# Altium PCB AD9959.PcbDoc (part 2 of 2)
Units mil, origin at the board's own origin, x right, y up, seen from the top; angles counter-clockwise.
Board outline 2765 x 1935 mil, 4 copper layers (Top Layer, Layer 1, Layer 2, Bottom Layer), stack 63.126 mil thick; 270 components, 121 nets, 743 pads, 606 vias.
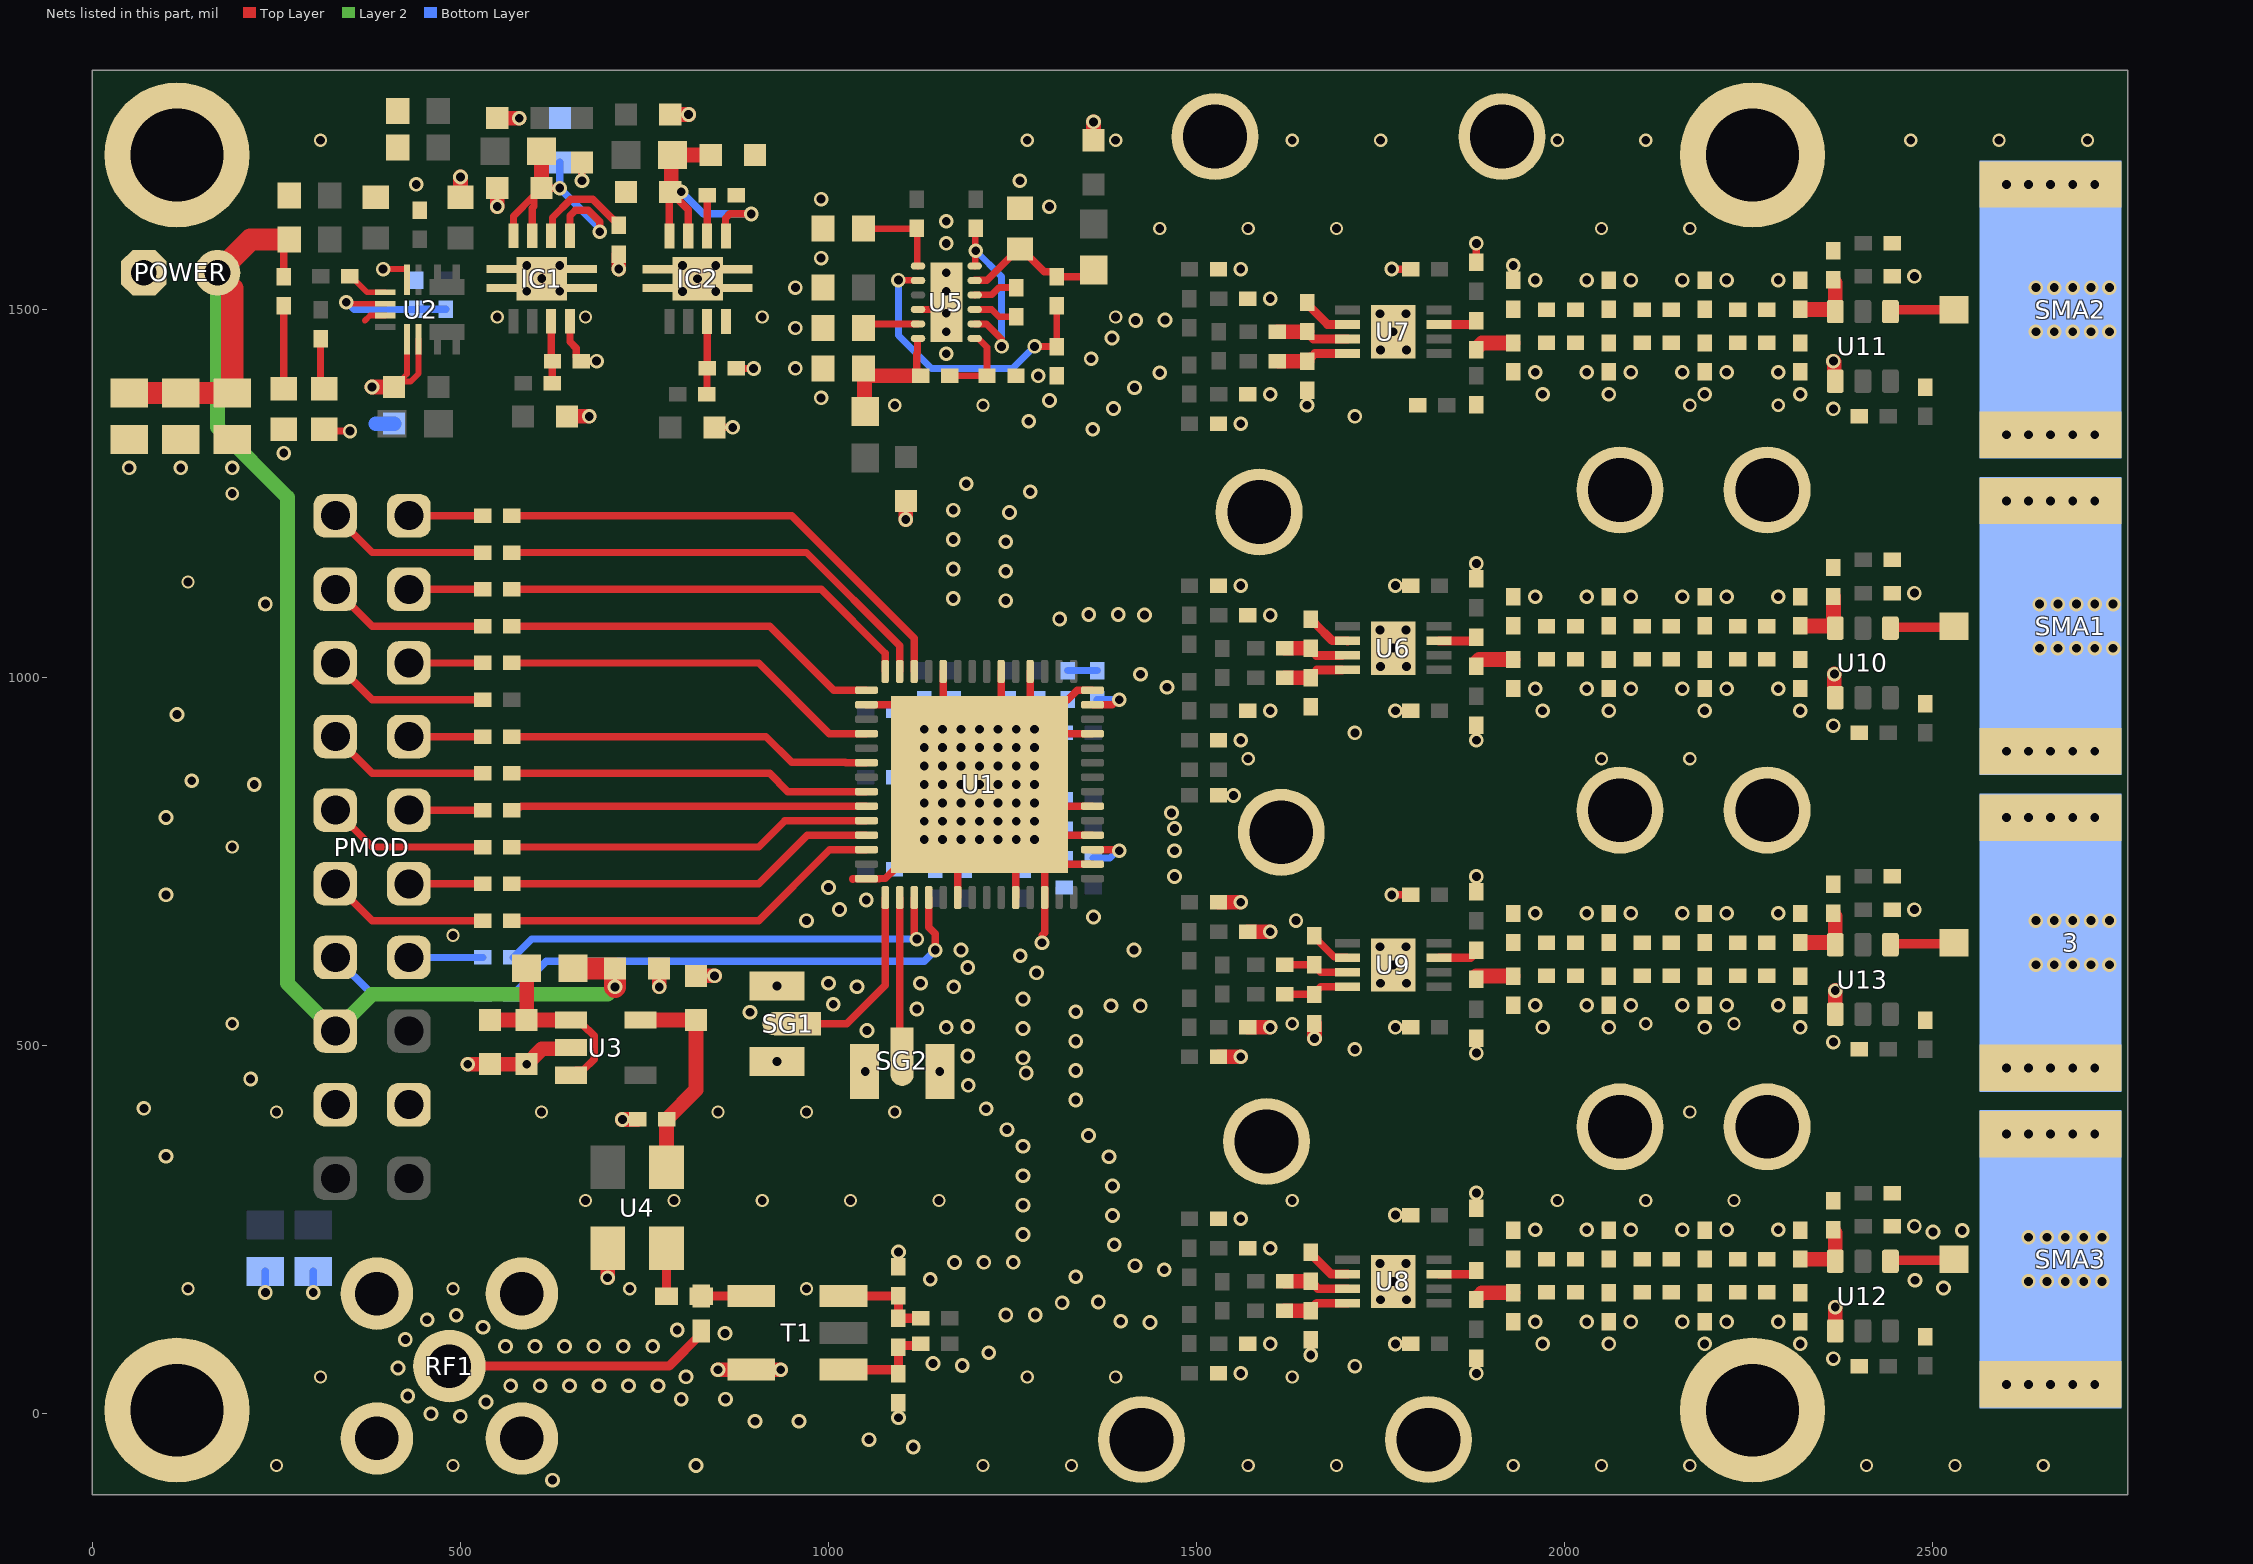
[diagram p4: the nets of this part, all layers, seen from the top]

## Via types
v1: diameter 20, hole 12, Top Layer to Bottom Layer, tented both sides, 280 vias
v2: diameter 19.68, hole 12, Top Layer to Bottom Layer, tented both sides, 257 vias
v3: diameter 18, hole 12, Top Layer to Bottom Layer, tented both sides, 69 vias

## Nets (pads, with @x,y where several pads share a name; then routed paths per layer and width w, separated by ;. In a path a pad name is that pad's centre, name@x,y a point inside that pad or via, vN(x,y) a via of type N, cw(c..) or ccw(c..) an arc to the next point about the centre after c; other vN are vias at no path point) (continued)
GND: 3.2 3.3 3.4 C1.1 C2.1 C3.2 C4.2 C5.2 C6.1 C7.2 C8.1 C9.1 C11.2 C12.2 C13.1 C14.2 C15.2 C16.2 C17.2 C18.2 C19.2 C20.2 C21.2 C22.2 C23.2 C24.2 C25.2 C26.2 C27.2 C28.1 C30.1 C32.1 C34.2 C35.2 C36.2 C37.2 C38.1 C40.1 C42.1 C44.1 C46.2 C47.2 C48.2 C49.2 C50.1 C52.1 C54.1 C56.1 C58.2 C59.2 C60.2 C61.2 C62.1 C64.1 C66.1 C68.1 C70.2 C71.2 C72.2 C73.2 C74.1 C76.2 C77.2 C78.2 C79.2 C80.2 C81.2 C82.2 C83.2 C84.2 C85.2 C86.2 C87.2 C88.2 C89.2 C90.2 C91.2 C92.2 C93.2 C94.2 C95.2 C96.2 C97.2 C98.2 C99.2 C100.2 C101.2 C102.2 C103.2 C104.2 C105.2 C106.2 C107.2 C108.2 C109.2 C110.2 C111.2 C112.2 C113.2 C114.2 C115.2 C116.2 C117.2 C118.2 C119.2 C120.2 C121.2 C122.2 C123.2 C124.2 C125.2 C126.2 C127.2 C128.2 C129.1 C130.2 C135.1 C136.1 C137.1 C138.1 C139.1 C140.1 C141.1 C142.1 C143.1 C144.1 C145.1 C146.1 C147.1 C148.1 C149.1 C150.1 C151.1 D2.2 D3.2 IC1.4 IC1.9 IC1.10 IC1.11 IC1.12 IC1.13 IC2.4 IC2.9 IC2.10 IC2.11 IC2.12 IC2.13 pad.0 pad. PMOD.17 PMOD.18 POWER.1 R2.2 R5.1 R6.2 R7.2 R9.2 R14.1 R15.1 R57.2 R58.2 R59.2 R60.2 R63.1 R64.1 R65.1 R66.1 R69.1 R72.1 RF1.1 SG1.2 SG1.3 SG2.2 SG2.3 SMA1.2 SMA1.3 SMA1.4 SMA2.2 SMA2.3 SMA2.4 SMA3.2 SMA3.3 SMA3.4 T1.2 U1.6 U1.10 U1.12 U1.16 U1.18 U1.20 U1.25 U1.28 U1.32 U1.34 U1.38 U1.44 U1.56 U1.57 U2.1 U2.2 U2.11 U3.2 U4.2 U5.4 U5.13 U6.9 U7.9 U8.9 U9.9 U10.4 U11.4 U12.4 U13.4 | length 2842.3
  Top Layer w8: 370,1485 377.06,1492.06 U2.11@397.91,1492.13 U2.11@397.91,1492.13 ; C146.1@410,1395 C146.1@417.31,1402.31 ; U2.1@427.44,1459.65 427.44,1412.44 C146.1@417.31,1402.31 ; U2.2@443.19,1459.65 443.19,1413.19 432.31,1402.31 C146.1@417.31,1402.31
  Top Layer w9: U5.4@1121.56,1500.16 1150.16,1500.16 U5.13@1160,1510
  Top Layer w10: IC1.4@648.78,1484.13 648.78,1456.22 657.56,1447.44 657.56,1434.84 662.4,1430 R6.2@664.37,1430 v1(685,1430) ; v1(665,1675) C142.1@665,1700 ; C8.1@845,1340 v1(870,1340) ; R7.2@874.69,1420 v1(898.32,1420) ; 1032.78,725.81 1032.78,727.05 U1.56@1051.46,727.05 1069.27,727.05 1069.43,727.2 1077.2,727.2 U1.57@1090,740 ; U1.44@1051.46,963.27 U1.57@1096.73,963.27 ; v1(1095,-5.31) R72.1@1095,15.32 ; R69.1@1095,199.68 v1(1095,220) ; U1.57@1155.79,904.21 U1.38@1155.79,1008.54 ; U1.6@1175.47,701.46 U1.57@1175.47,825.47 ; U1.57@1234.53,884.53 U1.34@1234.53,1008.54 ; U1.10@1254.21,701.46 U1.57@1254.21,805.79 ; U1.57@1273.9,786.1 U1.18@1358.54,786.1 ; U1.32@1273.9,1008.54 1273.9,923.9 U1.25@1358.54,923.9 ; U1.57@1280,825.47 U1.20@1358.54,825.47 ; 1290,650 1293.58,653.58 U1.12@1293.58,701.46 U1.57@1293.58,766.42 ; U1.57@1313.27,746.73 U1.16@1358.54,746.73 ; U1.57@1320,970 1325,970 1337.87,982.87 1358.46,982.87 U1.28@1358.54,982.95 ; R2.2@1529.69,840 v1(1550,840) ; v1(1650,1370) R59.2@1650,1390.31 ; v1(1655,80) R58.2@1655,100.63 ; v1(1765,705) C81.2@1790.63,705 ; v1(1765,1555) C76.2@1790.63,1555 ; v1(1770,95) C125.2@1790.63,95 ; v1(1770,270) C82.2@1790.63,270 ; v1(1770,525) C126.2@1790.63,525 ; v1(1770,955) C86.2@1790.63,955 ; v1(1770,1125) C78.2@1790.63,1125 ; v1(1880,55) C90.2@1880,75.31 ; C115.2@1880,279.37 v1(1880,300) ; v1(1880,490) C89.2@1880,510.31 ; C119.2@1880,709.37 v1(1880,730) ; v1(1880,915) C122.2@1880,935.63 ; C114.2@1880,1134.37 v1(1880,1155) ; C118.2@1880,1564.37 v1(1880,1590) ; C40.1@1930,1539.68 v1(1930,1560)
  Top Layer w20: v1(380,1395) C146.1@410,1395 ; C1.1@500,1652.56 v1(500,1680) ; v1(510,475) C151.1@540,475 v1(590,475) 610.79,495.79 648.19,495.79 U3.2@650,497.6 ; v1(550,1640) C141.1@550,1665 ; C140.1@550,1760 v1(580,1760) ; C139.1@645,1355 v1(675,1355) ; v1(700,185) U4.2@700,225 ; v1(715,1555) C137.1@715,1575.32 ; v1(720,400) C130.2@740.63,400 ; v1(770,580) C150.1@770,605 ; C143.1@785,1765 v1(810,1765) ; C149.1@820,595 v1(845,595) ; v1(850,60) T1.2@895,60 v1(935,60) ; SG2.2@1048.82,465 v1(1050,465) ; v1(1105,1215) C148.1@1105,1240 ; C147.1@1360,1730 v1(1360,1755) ; C105.2@1529.69,485 v2(1560,485) ; C106.2@1529.69,695 v2(1560,695) ; C101.2@1569.69,525 v2(1600,525) ; C102.2@1569.69,655 v2(1600,655) ; v1(1660,510) R60.2@1660,530.31 ; v2(2365,1430) 2366.18,1428.82 2366.18,1404.17 U11.4@2367.6,1402.76 ; v2(2366.3,1005) 2366.3,974.06 U10.4@2367.6,972.76 ; U12.4@2367.6,112.76 v2(2367.6,145) ; U13.4@2367.6,542.76 v2(2367.6,575)
  Bottom Layer w10: v1(235,165) C112.2@235,193.5 ; v1(300,165) C111.2@300,193.5
  Bottom Layer w20: 385,1345 C145.1@410,1345
  other v1: 625,-90 820,-70 1115,-45 1055,-35 900,-10 960,-10 499.94,-3.24 460.07,-0.01 534.87,16.25 800,20 860,20 428.4,24.42 568.24,38.31 608.24,38.31 648.24,38.31 688.24,38.31 728.24,38.31 768.24,38.31 2600,40 2630,40 2660,40 2690,40 2720,40 806.42,50.24 415.17,62.17 1181.7,65.75 1141.8,68.5 1217.75,83.09 561.25,91.69 601.25,91.69 641.25,91.69 681.25,91.69 721.25,91.69 761.25,91.69 425.18,100.9 859.45,109.38 794.54,113.87 530.78,117.61 1436.82,124.2 1396.86,125.89 454.76,127.81 494.28,133.98 1240.91,134.2 1280.91,134.2 1317.3,150.81 1366.53,151.97 1750,155 1785,155 2514.47,170.91 1767.09,179.84 2475.92,181.6 1138.11,182.89 1335.8,186.27 1455.93,195.8 1416.32,201.38 1749.29,204.45 1784.29,204.45 1171,205.66 1211,205.8 1251,205.8 1388.04,229.66 1264.2,243.56 2500.16,246.97 2540.1,249.09 1385.8,269.6 1264.2,283.56 1385.8,309.6 1264.2,323.56 1380.88,349.3 100,350 1264.2,363.56 1353.26,378.23 2600,380 2630,380 2660,380 2690,380 2720,380 1242.38,386.12 1214.1,414.41 70,415 1335.8,426.27 1189.83,446.2 215,455 1268.41,463.08 1151.18,465 1335.8,466.27 2600,470 2630,470 2660,470 2690,470 2720,470 930,478.82 1264.2,483.56 1189.04,486.19 1335.8,506.27 1052.26,520.77 1264.2,523.56 1160,525 1189.04,526.19 893.49,545.58 1335.8,546.27 1120,550 1383.6,554.47 1423.6,554.2 1006.42,556.46 1264.2,563.56 1038.66,580.15 1170,580 930,581.18 1000,585 1125,585 1750,585 1785,585 1282.59,599.08 1189.04,606.19 1767.09,609.84 1260.33,622.26 1180,630 1415,630 1749.29,634.45 1784.29,634.45 1290,640 970,670 1360,675 1015,685 1051.24,698.12 100,705 1000,715 1470,730 1470,765 1470,795 100,810 2600,810 2630,810 2660,810 2690,810 2720,810 1465.8,816.39 220,855 135,860 2600,900 2630,900 2660,900 2690,900 2720,900 115,950 1459.77,987.04 1423.85,1004.66 1750,1015.32 1785,1015.32 1767.09,1040.16 1749.29,1064.76 1784.29,1064.76 1313.94,1079.71 1429.32,1085.19 1353.47,1085.8 1393.47,1085.8 235,1100 1240.65,1104.64 1169.35,1107.63 1240.65,1144.64 1169.35,1147.63 1240.65,1184.64 1169.35,1187.63 1245.8,1224.3 1169.35,1227.63 2600,1240 2630,1240 2660,1240 2690,1240 2720,1240 1274.08,1252.59 1187.02,1263.51 2600,1330 2630,1330 2660,1330 2690,1330 2720,1330 1358.93,1337.44 1271.87,1348.37 1387.22,1365.73 1300.16,1376.65 1415.5,1394.01 1450.03,1414.2 1356.73,1433.22 1160,1440 1750,1445 1785,1445 1385.01,1461.5 1767.09,1469.84 1417.2,1485.25 1457.2,1485.8 1749.29,1494.45 1784.29,1494.45 590,1525 635,1525 801.81,1524.72 846.81,1524.72 610.39,1542.2 822.2,1541.93 590,1560 635,1560 801.81,1559.72 846.81,1559.72 1160,1590 1160,1620 2600,1670 2630,1670 2660,1670 2690,1670 2720,1670
  other v2: 1560,55 1715,65 2365,75 1600,95 1970,95 2060,95 2190,95 2320,95 1960,125 2030,125 2090,125 2160,125 2220,125 2290,125 2630,180 2655,180 2680,180 2705,180 2730,180 1600,225 2630,240 2655,240 2680,240 2705,240 2730,240 1960,250 2030,250 2090,250 2160,250 2220,250 2290,250 2475,255 1560,265 1715,495 2365,505 1970,525 2060,525 2190,525 2320,525 1960,555 2030,555 2090,555 2160,555 2220,555 2290,555 2640,610 2665,610 2690,610 2715,610 2740,610 1635,670 2640,670 2665,670 2690,670 2715,670 2740,670 1960,680 2030,680 2090,680 2160,680 2220,680 2290,680 2475,685 1130,780 1155,780 1180,780 1205,780 1230,780 1255,780 1280,780 1130,805 1155,805 1180,805 1205,805 1230,805 1255,805 1280,805 1130,830 1155,830 1180,830 1205,830 1230,830 1255,830 1280,830 1130,855 1155,855 1180,855 1205,855 1230,855 1255,855 1280,855 1130,880 1155,880 1180,880 1205,880 1230,880 1255,880 1280,880 1130,905 1155,905 1180,905 1205,905 1230,905 1255,905 1280,905 1560,915 1715,925 1130,930 1155,930 1180,930 1205,930 1230,930 1255,930 1280,930 2365,935 1600,955 1970,955 2060,955 2190,955 2320,955 1960,985 2030,985 2090,985 2160,985 2220,985 2290,985 2645,1040 2670,1040 2695,1040 2720,1040 2745,1040 1600,1085 2645,1100 2670,1100 2695,1100 2720,1100 2745,1100 1960,1110 2030,1110 2090,1110 2160,1110 2220,1110 2290,1110 2475,1115 1560,1125 50,1285 120,1285 190,1285 260,1305 1560,1345 1715,1355 2365,1365 990,1380 1600,1385 1970,1385 2060,1385 2190,1385 2320,1385 1285,1410 1960,1415 2030,1415 2090,1415 2160,1415 2220,1415 2290,1415 955,1420 1160,1470 2640,1470 2665,1470 2690,1470 2715,1470 2740,1470 955,1475 1160,1495 1600,1515 1160,1525 955,1530 2640,1530 2665,1530 2690,1530 2715,1530 2740,1530 1960,1540 2030,1540 2090,1540 2160,1540 2220,1540 2290,1540 2475,1545 1160,1550 1560,1555 990,1570 1300,1640 990,1650 440,1670 1260,1675
  other v3: 250,-70 490,-70 1210,-70 1330,-70 1570,-70 1690,-70 1930,-70 2050,-70 2170,-70 2410,-70 2530,-70 2650,-70 310,50 1270,50 1390,50 1630,50 130,170 490,170 730,170 970,170 670,290 790,290 910,290 1030,290 1150,290 1630,290 1990,290 2110,290 2230,290 250,410 610,410 850,410 970,410 1090,410 2170,410 190,530 1630,530 2110,530 2230,530 490,650 190,770 1570,890 2050,890 2170,890 130,1130 190,1250 1090,1370 1210,1370 2170,1370 2290,1370 550,1490 670,1490 910,1490 1390,1490 1450,1610 1570,1610 1690,1610 2050,1610 2170,1610 310,1730 1270,1730 1390,1730 1630,1730 1750,1730 1990,1730 2110,1730 2470,1730 2590,1730 2710,1730
I/O_UPDATE: R22.1 U1.46 | length 521.6
  Top Layer w10: R22.1@569.68,1020 776.13,1020 905,1020 1001.1,923.9 U1.46@1051.46,923.9
NetC6_2: C6.2 R8.2 | length 40
  Bottom Layer w10: C6.2@1325,1009.69 R8.2@1365,1009.69
NetC10_1: C10.1 U5.10 | length 60.9
  Top Layer w9: U5.10@1198.44,1519.84 1198.55,1519.95 1221.6,1519.95 1231.66,1530 1254.69,1530 C10.1@1255,1529.68
NetC10_2: C10.2 U5.9 | length 60.6
  Top Layer w9: U5.9@1198.44,1500.16 1198.51,1500.09 1221.82,1500.09 1231.6,1490.31 C10.2@1255,1490.31
NetC11_1: C11.1 U5.5 | length 76.3
  Top Layer w9: C11.1@1047.56,1475 1053.03,1480.47 U5.5@1121.56,1480.47
NetC12_1: C12.1 FB4.2 R13.1 U5.11 | length 198.6
  Top Layer w10: U5.11@1198.44,1539.53 1198.67,1539.75 1215.34,1539.75 1258.03,1582.44 C12.1@1260,1582.44 1261.97,1582.44 1292.91,1551.5 1305.16,1551.5 1311.97,1544.68 1351.18,1544.68 FB4.2@1360,1553.5
NetC13_2: C13.2 FB6.2 R16.2 U5.6 | length 183
  Top Layer w10: U5.6@1121.56,1460.79 1121.01,1460.79 1120.78,1460.56 1120.78,1440.78 1120,1440 1120,1414.84 1124.84,1410 R16.2@1125.31,1410
  Top Layer w20: C13.2@1047.56,1420 1048.78,1418.78 1048.78,1362.72 FB6.2@1050,1361.5 ; C13.2@1055.59,1410 R16.2@1124.84,1410
NetC28_2: C28.2 C29.1 C35.1 L1.2 L13.2 | length 51.7
  Top Layer w20: L13.2@1880,1020.59 1884.09,1024.69 C28.2@1930,1024.69
NetC29_2: C29.2 C30.2 C31.1 C36.1 L1.1 L2.2
NetC31_2: C31.2 C32.2 C33.1 C37.1 L2.1 L3.2
NetC33_2: C33.2 C34.1 C38.2 L3.1 R63.2 U10.3 | length 88.8
  Top Layer w20: C34.1@2320,1070.32 2320.12,1070.2 2367.6,1070.2 2367.6,1071.57 2365,1074.17 R63.2@2365,1110.31
NetC40_2: C40.2 C41.1 C47.1 L4.2 L14.2 | length 54.8
  Top Layer w20: L14.2@1880,1445.31 1880,1446.97 1887.72,1454.68 C47.1@1930,1454.68
NetC41_2: C41.2 C42.2 C43.1 C48.1 L4.1 L5.2
NetC43_2: C43.2 C44.2 C45.1 C49.1 L5.1 L6.2
NetC45_2: C45.2 C46.1 C50.2 L6.1 R64.2 U11.3 | length 91.8
  Top Layer w20: C50.2@2320,1500.31 2320.12,1500.2 U11.3@2367.6,1500.2 ; R64.2@2365,1540.31 2365,1538.66 2367.6,1536.06 U11.3@2367.6,1500.2 ; U11.3@2367.6,1497.24 U11.3@2367.6,1500.2
NetC52_2: C52.2 C53.1 C59.1 L7.2 L15.2 | length 54.8
  Top Layer w20: L15.2@1880,155.31 1880,156.97 1887.72,164.68 C59.1@1930,164.68
NetC53_2: C53.2 C54.2 C55.1 C60.1 L7.1 L8.2
NetC55_2: C55.2 C56.2 C57.1 C61.1 L8.1 L9.2
NetC57_2: C57.2 C58.1 C62.2 L9.1 R65.2 U12.3 | length 91.5
  Top Layer w20: C58.1@2320,210.32 2320.12,210.2 U12.3@2367.6,210.2 ; R65.2@2365,250 2365,248.35 2367.6,245.75 U12.3@2367.6,210.2 ; U12.3@2367.6,207.24 U12.3@2367.6,210.2
NetC64_2: C64.2 C65.1 C71.1 L10.2 L16.2 | length 50
  Top Layer w20: L16.2@1880,594.68 C71.1@1930,594.68
NetC65_2: C65.2 C66.2 C67.1 C72.1 L10.1 L11.2
NetC67_2: C67.2 C68.2 C69.1 C73.1 L11.1 L12.2
NetC69_2: C69.2 C70.1 C74.2 L12.1 R66.2 U13.3 | length 91.5
  Top Layer w20: C70.1@2320,640.32 2320.12,640.2 U13.3@2367.6,640.2 ; R66.2@2365,680 2365,678.35 2367.6,675.75 U13.3@2367.6,640.2 ; U13.3@2367.6,637.24 U13.3@2367.6,640.2
NetC129_2: C129.2 C151.2 FB7.2 U3.1 U3.3 | length 293
  Top Layer w10: U3.3@650,460.2 656.81,467.01 667.02,467.01 681.65,481.65 681.65,513.55 674.09,521.12 673.72,521.12 659.84,535 U3.1@650,535
  Top Layer w20: C151.2@540,535 C129.2@590,535 ; FB7.2@590,605 C129.2@590,535 ; U3.1@650,535 C129.2@590,535
NetC130_1: C130.1 C149.2 U3.5 U4.4 | length 293
  Top Layer w20: U3.5@744.49,535 C149.2@820,535 820,440 781.81,401.81 781.81,400.16 781.65,400 C130.1@780,400 U4.4@780,335
NetC135_2: C135.2 C141.2 FB2.2 IC1.5 IC1.7 IC1.8 | length 419.8
  Top Layer w10: IC1.8@572.01,1600.28 572.01,1627.01 C141.2@600,1655 ; IC1.7@597.6,1600.28 597.6,1637.6 600,1640 C141.2@600,1655 ; v1(635,1665) C141.2@610,1665 C141.2@600,1655 ; IC1.5@648.78,1600.28 648.78,1627.57 656.21,1635 673.47,1635 689.24,1619.24 v1(689.24,1605.76) v1@690,1605
  Top Layer w20: C141.2@610,1665 FB2.2@610,1715
  Bottom Layer w10: C135.2@635,1700 v1(635,1665) 687.32,1612.68 687.32,1607.68 v1(689.24,1605.76)
NetC136_2: C136.2 C144.2 FB3.2 IC2.5 IC2.7 IC2.8 | length 412.2
  Top Layer w10: IC2.8@783.82,1600 C144.2@783.82,1658.82 ; C144.2@785,1660 v1(800,1660) ; C144.2@786.5,1658.5 809.41,1635.59 IC2.7@809.41,1600 ; IC2.5@860.59,1600 860,1600.59 860,1624.14 865.86,1630 v1(895,1630)
  Top Layer w20: C144.2@786.5,1661.5 786.5,1708.5 FB3.2@787.99,1710 C136.2@840,1710
  Bottom Layer w10: v1(800,1660) 830,1630 v1(895,1630)
NetC137_2: C137.2 IC1.6 | length 141.6
  Top Layer w10: IC1.6@623.19,1600.28 625.08,1602.17 625.08,1625.08 650,1650 679.69,1650 708.19,1621.5 710.16,1621.5 715,1616.65 C137.2@715,1614.69
NetC138_2: C138.2 IC2.6 | length 55.1
  Top Layer w10: IC2.6@835,1600 835.16,1600.16 835.16,1654.84 C138.2@835.31,1655
NetC152_1: C152.1 R69.2 R71.1 T1.5 | length 136
  Top Layer w12.36: T1.5@1020.2,160 1020.35,160.16 1094.84,160.16 R69.2@1095,160.31 R71.1@1095,129.68 1095.16,129.84 1125.16,129.84 C152.1@1125.32,130
NetC153_1: C153.1 R71.2 R72.2 T1.3 | length 137.4
  Top Layer w12.36: T1.3@1020.2,60 1095,60 R71.2@1095,90.31 1097.34,92.66 1122.97,92.66 C153.1@1125.32,95
NetD1_1: D1.1 R1.1 | length 69.8
  Top Layer w10: R1.1@310,1460.32 310,1397.56 D1.1@315,1392.56
NetD2_1: D2.1 R10.1 U5.1 | length 124.2
  Top Layer w9: D2.1@1047.56,1610 R10.1@1119.68,1610 ; R10.1@1120,1610.32 1120.78,1609.54 1120.78,1559.46 1121.03,1559.21 U5.1@1121.56,1559.21
NetD3_1: D3.1 R61.2 | length 112.8
  Top Layer w10: D3.1@260,1392.56 R61.2@260,1505.31
NetIC1_3: IC1.3 R6.1 R11.2 | length 85
  Top Layer w10: IC1.3@623.19,1484.13 623.19,1431.81 R6.1@625,1430 624.84,1429.84 624.84,1400.16 R11.2@624.69,1400
NetIC2_3: IC2.3 R7.1 R62.2 | length 143
  Top Layer w10: R62.2@834.69,1385 835,1385.32 835,1419.69 R7.1@835.32,1420 IC2.3@835.32,1478.86 ; 835,1435 IC2.3@835,1483.86
NetL13_1: L13.1 U6.7 | length 53.3
  Top Layer w12: U6.7@1829.17,1050 1876.16,1050 1880,1053.84 L13.1@1880,1054.68
NetL14_1: L14.1 U7.7 | length 53
  Top Layer w10: L14.1@1875.16,1479.68 1880,1484.53 L14.1@1880,1484.68
  Top Layer w12: U7.7@1829.17,1479.68 L14.1@1875.16,1479.68
NetL15_1: L15.1 U8.7 | length 53.6
  Top Layer w12: U8.7@1829.17,189.68 1876.16,189.68 1880,193.53 L15.1@1880,194.68
NetL16_1: L16.1 U9.7 | length 56.1
  Top Layer w12: U9.7@1829.17,619.68 1871.97,619.68 1880,627.72 L16.1@1880,629.68
NetPMOD_1: PMOD.1 R17.1 | length 221
  Top Layer w10: PMOD.1@330,1220 380,1170 R17.1@530.32,1170
NetPMOD_2: PMOD.2 R18.2 | length 100.3
  Top Layer w10: PMOD.2@430,1220 R18.2@530.31,1220
NetPMOD_3: PMOD.3 R19.1 | length 221
  Top Layer w10: PMOD.3@330,1120 380,1070 R19.1@530.32,1070
NetPMOD_4: PMOD.4 R20.2 | length 100.3
  Top Layer w10: PMOD.4@430,1120 R20.2@530.31,1120
NetPMOD_5: PMOD.5 R21.1 | length 221
  Top Layer w10: PMOD.5@330,1020 380,970 R21.1@530.32,970
NetPMOD_6: PMOD.6 R22.2 | length 100.3
  Top Layer w10: PMOD.6@430,1020 R22.2@530.31,1020
NetPMOD_7: PMOD.7 R23.1 | length 221
  Top Layer w10: PMOD.7@330,920 380,870 R23.1@530.32,870
NetPMOD_8: PMOD.8 R24.2 | length 100.3
  Top Layer w10: PMOD.8@430,920 R24.2@530.31,920
NetPMOD_9: PMOD.9 R25.1 | length 221
  Top Layer w10: PMOD.9@330,820 380,770 R25.1@530.32,770
NetPMOD_10: PMOD.10 R26.2 | length 100.3
  Top Layer w10: PMOD.10@430,820 R26.2@530.31,820
NetPMOD_11: PMOD.11 R27.1 | length 221
  Top Layer w10: PMOD.11@330,720 380,670 R27.1@530.32,670
NetPMOD_12: PMOD.12 R28.2 | length 100.3
  Top Layer w10: PMOD.12@430,720 R28.2@530.31,720
NetPMOD_13: PMOD.13 R29.1 | length 221
  Bottom Layer w10: PMOD.13@330,620 380,570 R29.1@530.32,570
NetPMOD_14: PMOD.14 R30.2 | length 100.3
  Bottom Layer w10: PMOD.14@430,620 R30.2@530.31,620
NetR3_1: R3.1 U2.9 | length 57.1
  Top Layer w8: R3.1@349.68,1545 351.65,1545 373.03,1523.62 U2.9@397.91,1523.62
NetR4_1: R4.1 R5.2 U2.10 | length 192.9
  Top Layer w8: v2(345,1510) 347.06,1507.94 U2.10@397.91,1507.87 U2.10@397.91,1507.87
  Bottom Layer w10: v2(345,1510) 345.86,1510 355.7,1500.16 439.84,1500.16 R5.2@440,1500.31 R4.1@480,1500.32
NetR8_1: R8.1 U1.27 | length 69.4
  Top Layer w10: U1.27@1358.54,963.27 1385.65,963.27 1392.38,970 v2(1395,970)
  Bottom Layer w10: R8.1@1365,970.32 1365.16,970.16 1394.84,970.16 v2(1395,970)
NetR9_1: R9.1 U1.17 | length 76.5
  Top Layer w10: U1.17@1358.54,766.42 1358.62,766.34 1393.66,766.34 v2(1395,765)
  Bottom Layer w10: R9.1@1359.68,755 1382.38,755 1392.38,765 v2(1395,765)
NetR12_2: R12.2 U5.8 U5.12 | length 251.6
  Top Layer w9: U5.8@1198.44,1480.47 1198.55,1480.37 1214.63,1480.37 1235,1460 v2(1235,1450) ; U5.12@1198.44,1559.21 1198.97,1559.21 1199.22,1559.46 1199.22,1609.54 R12.2@1200,1610.31
  Bottom Layer w9: v2(1200,1580) 1235,1545 v2(1235,1450)
NetR13_2: R13.2 R14.2 U5.2 | length 403.6
  Top Layer w9: v2(1095,1540) 1095.37,1539.63 1121.45,1539.63 U5.2@1121.56,1539.53 ; v2(1280,1450) 1280.16,1449.84 1309.84,1449.84 R14.2@1310,1449.69 R13.2@1310,1505.31
  Bottom Layer w9: v2(1095,1540) 1095,1465 1140,1420 1250,1420 v2(1280,1450)
NetR15_2: R15.2 R16.1 U5.7 | length 111.3
  Top Layer w9: R16.1@1164.68,1410 R15.2@1215.31,1410 1215.31,1448.88 1203.4,1460.79 U5.7@1198.44,1460.79
NetR34_2: R34.2 R57.1 U6.4 | length 83.7
  Top Layer w10: R57.1@1655,1000 R57.1@1655,1001.97
  Top Layer w12: R57.1@1655,1001.97 1663.5,1010.47 U6.4@1697.91,1010.47
  Top Layer w20: R34.2@1619.69,1000 R57.1@1655,1000
NetR35_2: R35.2 R37.1 U6.3 | length 83.5
  Top Layer w12: R37.1@1655,1040 1655,1038.03 1662.87,1030.16 U6.3@1697.91,1030.16
  Top Layer w20: R35.2@1619.69,1040 R37.1@1655,1040
NetR37_2: R37.2 U6.2 | length 63.3
  Top Layer w12: R37.2@1655,1079.37 1655,1077.4 1658.84,1073.56 1660.81,1073.56 1684.28,1050.09 1704.91,1050.09 U6.2@1705,1050
NetR39_2: R39.2 R59.1 U7.4 | length 99.4
  Top Layer w12: R59.1@1650,1429.68 1650,1431.65 1653.84,1435.5 1656.05,1435.5 1660.87,1440.31 U7.4@1705,1440.31
  Top Layer w20: R39.2@1611.18,1429.84 1611.5,1429.84 1611.65,1429.68 R59.1@1650,1429.68
NetR40_2: R40.2 R42.1 U7.3 | length 101.1
  Top Layer w12: R42.1@1650,1470.32 1650,1468.35 1658.35,1460 U7.3@1705,1460
  Top Layer w20: R40.2@1609.37,1470 R42.1@1650,1470
NetR42_2: R42.2 U7.2 | length 68.6
  Top Layer w12: R42.2@1650,1509.69 1650,1507.72 1677.94,1479.78 1704.91,1479.78 U7.2@1705,1479.68
NetR44_2: R44.2 R58.1 U8.4 | length 91.1
  Top Layer w12: R58.1@1655,140 1655,141.97 1663.35,150.31 U8.4@1705,150.31
  Top Layer w20: R44.2@1619.37,140 R58.1@1655,140
NetR45_2: R45.2 R47.1 U8.3 | length 90.6
  Top Layer w12: R47.1@1655,180 1655,178.03 1658.84,174.19 1660.81,174.19 1665,170 U8.3@1705,170
  Top Layer w20: R45.2@1619.69,180 R47.1@1655,180
NetR47_2: R47.2 U8.2 | length 63.4
  Top Layer w12: R47.2@1655,219.37 1655,217.4 1682.62,189.78 1704.91,189.78 U8.2@1705,189.68
NetR49_2: R49.2 R60.1 U9.4 | length 90.6
  Top Layer w10: R49.2@1619.69,570 1660,570 1660,571.65 1668.66,580.31 U9.4@1705,580.31
NetR50_2: R50.2 R52.1 U9.3 | length 90.4
  Top Layer w10: R50.2@1619.69,610 1660,610 1660,608.35 1668.35,600 U9.3@1705,600
NetR52_2: R52.2 U9.2 | length 58.7
  Top Layer w10: R52.2@1660,649.69 1664.84,644.84 1664.84,642.75 1687,620.59 1704.09,620.59 U9.2@1705,619.68
NetR53_1: R53.1 U10.1 | length 88.7
  Top Layer w13: U10.1@2442.4,1067.24 2443.78,1068.62 2528.62,1068.62 R53.1@2530,1070
NetR54_1: R54.1 U11.1 | length 87.2
  Top Layer w13: U11.1@2442.4,1497.24 2445.16,1500 R54.1@2528.5,1500
NetR55_1: R55.1 U12.1 | length 87.2
  Top Layer w13: U12.1@2442.4,207.24 2443.78,208.62 2527.13,208.62 R55.1@2528.5,210
NetR56_1: R56.1 U13.1 | length 87.2
  Top Layer w13: U13.1@2442.4,637.24 2443.78,638.62 2527.13,638.62 R56.1@2528.5,640
NetR68_1: R68.1 U4.3 | length 65
  Top Layer w12.36: R68.1@780,160 U4.3@780,225
NetR68_2: R68.2 R70.2 T1.1 | length 67.8
  Top Layer w12.36: R70.2@827.24,160 T1.1@895,160
NetR70_1: R70.1 RF1.2 | length 384.3
  Top Layer w12.36: RF1.2@465,65 783.43,65 827.24,108.82 R70.1@827.24,112.76
P0: R18.1 U1.40 | length 660.7
  Top Layer w10: R18.1@569.68,1220 950,1220 1116.42,1053.58 U1.40@1116.42,1008.54
P1: R17.2 U1.41 | length 614.3
  Top Layer w10: R17.2@569.69,1170 906.97,1170 968.71,1170 970,1170 1096.73,1043.27 U1.41@1096.73,1008.54
P2: R20.1 U1.42 | length 567.8
  Top Layer w10: R20.1@569.68,1120 904.12,1120 985.33,1120 990,1120 1077.05,1032.95 U1.42@1077.05,1008.54
P3: R19.2 U1.43 | length 517.8
  Top Layer w10: R19.2@569.69,1070 828.33,1070 920,1070 1007.05,982.95 U1.43@1051.46,982.95
PG_1: D1.2 U2.8 | length 81.2
  Top Layer w8: v2(395,1555) 427.38,1555 427.38,1542.32 U2.8@427.44,1542.26
  Top Layer w10: D1.2@315,1337.44 317.44,1335 v2(350,1335)
PWR_DOWN: R29.2 U1.4 | length 675.3
  Top Layer w10: U1.4@1136.1,701.46 1136.1,660.84 1145,651.94 v2(1145,630)
  Bottom Layer w10: R29.2@569.69,570 571.65,570 616.65,615 1130,615 v2(1145,630)
RESET: R30.1 U1.3 | length 616.6
  Top Layer w10: U1.3@1116.42,701.46 1116.42,651.2 1120,647.62 v2(1120,645)
  Bottom Layer w10: R30.1@571.65,620 596.65,645 v2(1120,645)
SCLK: R24.1 U1.48 | length 496.5
  Top Layer w10: R24.1@569.68,920 817.64,920 915,920 950,885 1023.06,885 1023.53,884.53 U1.48@1051.46,884.53
SDIO_0: R23.2 U1.50 | length 492.1
  Top Layer w10: R23.2@569.69,870 797.86,870 920,870 944.84,845.16 U1.50@1051.46,845.16
SDIO_1: R26.1 U1.51 | length 484
  Top Layer w10: R26.1@569.68,820 574.53,824.84 581.72,824.84 582.35,825.47 698.54,825.47 851.52,825.47 U1.51@1051.46,825.47
SDIO_2: R25.2 U1.52 | length 496.6
  Top Layer w10: R25.2@569.69,770 782.98,770 904.05,770 905,770 940.79,805.79 U1.52@1051.46,805.79
SDIO_3: R28.1 U1.53 | length 509.2
  Top Layer w10: R28.1@569.68,720 716.4,720 819.27,720 905,720 971.1,786.1 U1.53@1051.46,786.1
SYNC_CLK: R27.2 U1.54 | length 521.7
  Top Layer w10: R27.2@569.69,670 803.75,670 904.6,670 905,670 1001.42,766.42 U1.54@1051.46,766.42
SYNC_IN: SG1.1 U1.1 | length 258
  Top Layer w10: SG1.1@960,530 1025,530 1077.05,582.05 U1.1@1077.05,701.46
SYNC_OUT: SG2.1 U1.2 | length 207.8
  Top Layer w10: U1.2@1096.73,701.46 1096.73,498.27 SG2.1@1100,495
VCC: C92.1 C93.1 C94.1 C150.2 FB1.1 FB7.1 PMOD.15 POWER.2 R61.1 | length 2053.9
  Top Layer w10: R61.1@260,1544.68 FB1.1@260,1587.56
  Top Layer w30: C93.1@50,1386.5 C92.1@120,1386.5 C94.1@190,1386.5 190,1528.53 170,1548.53 POWER.2@170,1550 215,1595 FB1.1@267.44,1595 ; FB7.1@652.99,605 C150.2@710,605 v1(710,580)
  Layer 2 w20: POWER.2@170,1550 170,1340.13 265,1245.13 265,585 PMOD.15@330,520 380,570 700,570 v1(710,580)
pads on no net: PMOD.16 PMOD.20 POWER.0 T1.4 U2.3 U2.4 U2.13 U3.4 U4.1 U6.1 U6.6 U7.1 U7.6 U8.1 U8.6 U9.1 U9.6

## Polygon pours and split planes (outlines as drawn)
GND on Top Layer "NONET_L-01_P-001" (solid, remove dead copper, pour order 47): 0,-115 0,1820 2770,1820 2770,-115
A+1.8 on Top Layer "NONET_L-01_P-001" (solid, pour order 41): 775,1500 775,1455 725,1405 725,1320 735,1310 790,1310 800,1320 800,1415 816,1431 816,1500
D+1.8 on Top Layer "NONET_L-01_P-001" (solid, pour order 40): 565,1500 565,1435 535,1405 535,1320 540,1315 580,1315 605,1340 605,1500
A+1.8 on Top Layer "NONET_L-01_P-001" (solid, remove dead copper, pour order 39): 1502.12,905.16 1502.12,927.12 1520.16,945.16 1542.12,945.16 1542.12,967.12 1458.2,967.12 1450.16,959.07 1450.16,950.92 1478.5,922.58 1478.5,905.16
A+1.8 on Top Layer "NONET_L-01_P-001" (solid, remove dead copper, pour order 38): 1502.12,1134.84 1502.12,1112.88 1520.16,1094.84 1542.12,1094.84 1542.12,1072.88 1458.2,1072.88 1450.16,1080.93 1450.16,1089.08 1478.5,1117.42 1478.5,1134.84
A+1.8 on Top Layer "NONET_L-01_P-001" (solid, remove dead copper, pour order 26): 1502.12,274.84 1502.12,252.88 1520.16,234.84 1542.12,234.84 1542.12,212.88 1458.2,212.88 1450.16,220.93 1450.16,229.08 1478.5,257.42 1478.5,274.84
A+1.8 on Top Layer "NONET_L-01_P-001" (solid, remove dead copper, pour order 25): 1502.12,704.84 1502.12,682.88 1520.16,664.84 1542.12,664.84 1542.12,642.88 1458.2,642.88 1450.16,650.93 1450.16,659.08 1478.5,687.42 1478.5,704.84
A+1.8 on Top Layer "NONET_L-01_P-001" (solid, remove dead copper, pour order 23): 1502.12,1564.84 1502.12,1542.88 1520.16,1524.84 1542.12,1524.84 1542.12,1502.88 1458.2,1502.88 1450.16,1510.93 1450.16,1519.08 1478.5,1547.42 1478.5,1564.84
A+1.8 on Top Layer "NONET_L-01_P-001" (solid, remove dead copper, pour order 22): 1502.12,1335.16 1502.12,1357.12 1520.16,1375.16 1542.12,1375.16 1542.12,1397.12 1458.2,1397.12 1450.16,1389.07 1450.16,1380.92 1478.5,1352.58 1478.5,1335.16
A+1.8 on Top Layer "NONET_L-01_P-001" (solid, remove dead copper, pour order 20): 1502.12,475.16 1502.12,497.12 1520.16,515.16 1542.12,515.16 1542.12,537.12 1458.2,537.12 1450.16,529.07 1450.16,520.92 1478.5,492.58 1478.5,475.16
A+1.8 on Top Layer "NONET_L-01_P-001" (solid, remove dead copper, pour order 19): 1502.12,45.16 1502.12,67.12 1520.16,85.16 1542.12,85.16 1542.12,107.12 1458.2,107.12 1450.16,99.07 1450.16,90.92 1478.5,62.58 1478.5,45.16
NetC52_2 on Top Layer "NONET_L-01_P-001" (solid, remove dead copper, pour order 15): 1920.16,222.13 1987.12,222.13 1987.27,152.88 1920.16,152.88
NetC64_2 on Top Layer "NONET_L-01_P-001" (solid, remove dead copper, pour order 14): 1920.16,652.13 1987.12,652.13 1987.27,582.88 1920.16,582.88
NetC40_2 on Top Layer "NONET_L-01_P-001" (solid, remove dead copper, pour order 13): 1920.16,1512.13 1987.12,1512.13 1987.27,1442.88 1920.16,1442.88
NetC28_2 on Top Layer "NONET_L-01_P-001" (solid, remove dead copper, pour order 12): 1920.16,1082.13 1987.12,1082.13 1987.27,1012.88 1920.16,1012.88
NetC55_2 on Top Layer "NONET_L-01_P-001" (solid, remove dead copper, pour order 11): 2132.87,222.13 2247.12,222.13 2247.27,152.88 2132.87,152.88
NetC53_2 on Top Layer "NONET_L-01_P-001" (solid, remove dead copper, pour order 10): 2002.87,222.13 2117.12,222.13 2117.27,152.88 2002.87,152.88
NetC67_2 on Top Layer "NONET_L-01_P-001" (solid, remove dead copper, pour order 9): 2132.87,652.13 2247.12,652.13 2247.27,582.88 2132.87,582.88
NetC65_2 on Top Layer "NONET_L-01_P-001" (solid, remove dead copper, pour order 8): 2002.87,652.13 2117.12,652.13 2117.27,582.88 2002.87,582.88
NetC43_2 on Top Layer "NONET_L-01_P-001" (solid, remove dead copper, pour order 7): 2132.87,1512.13 2247.12,1512.13 2247.27,1442.88 2132.87,1442.88
NetC41_2 on Top Layer "NONET_L-01_P-001" (solid, remove dead copper, pour order 6): 2002.87,1512.13 2117.12,1512.13 2117.27,1442.88 2002.87,1442.88
NetC29_2 on Top Layer "NONET_L-01_P-001" (solid, remove dead copper, pour order 5): 2002.87,1082.13 2117.12,1082.13 2117.27,1012.88 2002.87,1012.88
NetC31_2 on Top Layer "NONET_L-01_P-001" (solid, remove dead copper, pour order 4): 2132.87,1082.13 2247.12,1082.13 2247.27,1012.88 2132.87,1012.88
NetC33_2 on Top Layer "NONET_L-01_P-001" (solid, remove dead copper, pour order 3): 2262.87,1082.13 2329.69,1082.13 2329.84,1012.88 2262.87,1012.88
NetC57_2 on Top Layer "NONET_L-01_P-001" (solid, remove dead copper, pour order 2): 2262.87,222.13 2329.69,222.13 2329.84,152.88 2262.87,152.88
NetC45_2 on Top Layer "NONET_L-01_P-001" (solid, remove dead copper, pour order 1): 2262.87,1512.13 2329.69,1512.13 2329.84,1442.88 2262.87,1442.88
NetC69_2 on Top Layer "NONET_L-01_P-001" (solid, remove dead copper, pour order 0): 2262.87,652.13 2329.69,652.13 2329.84,582.88 2262.87,582.88
GND on Layer 2 "NONET_L-01_P-001" (solid, remove dead copper, pour order 35): 2765,1825 2765,-110 0,-110 0,1825
-4 on Layer 2 "NONET_L-01_P-001" (solid, pour order 42): 1770,140 1770,465 1885,465 1885,610 1775,610 1775,765 1880,765 1880,1020 1775,1020 1775,1270 1875,1270 1875,1385 1685,1385 1685,15 2120,15 2120,165 2465,165 2465,1675 2355,1675 2355,270 1880,270 1880,140
PG_1 on Layer 2 "NONET_L-01_P-001" (solid, pour order 46): 422.5,1565 422.5,1300 315,1300 315,1565 320,1565
A+1.8 on Layer 2 "NONET_L-01_P-001" (solid, remove dead copper, pour order 31): 729.84,1384.84 725.16,1380.16 725.16,1304.84 1055,975 1055,756.08 1275,536.08 1275,266.08 1455.92,85.16 1464.08,85.16 1520,141.08 1520,1490 1485.16,1524.84 1455.92,1524.84 1430,1498.93 1430,1439.19 1335.81,1345 985,1345 945.16,1384.84
+4 on Layer 2 "NONET_L-01_P-001" (solid, pour order 43): 1785,1630 1785,1420 1900,1420 1900,1240 1795,1240 1795,1030 1895,1030 1895,770 1780,770 1780,655 1925,655 1925,405 1780,405 1780,235 1865,235 1865,320 2005,320 2005,1630 1825,1630
+5 on Layer 2 "NONET_L-01_P-001" (solid, pour order 45): 440,1565 440,1710 1030,1710 1030,1550 1185,1550 1185,1800 380,1800 380,1565 405,1565
+4 on Layer 2 "NONET_L-01_P-001" (solid, pour order 44): 2490,25 2580,25 2580,1635 2490,1635
D+1.8 on Layer 2 "NONET_L-01_P-001" (solid, remove dead copper, pour order 32): 540.9,1384.82 535.16,1379.07 535.16,1209.84 1010,735 1020,735 1040,755 1040,965 620.18,1384.82
GND on Layer 1 "gggNONET_L-01_P-001" (solid, remove dead copper, pour order 18): 2765,1825 2765,-110 0,-110 0,1825
GND on Bottom Layer "NONET_L-01_P-001" (solid, remove dead copper, pour order 34): 2765,1825 2765,-110 0,-110 12.5,1825

## Keep-outs
Keep-Out Layer:
  the board outline again, w6

## Other copper
Top Layer:
  pour cut-out: 2345,1521.28 2465,1521.28 2465,1381.02 2345,1381.02
  pour cut-out: 2345,1091.28 2465,1091.28 2465,951.02 2345,951.02
  pour cut-out: 2345,661.28 2465,661.28 2465,521.02 2345,521.02
  pour cut-out: 2345,232.76 2465,232.76 2465,92.5 2345,92.5
  pour cut-out: 1040,1020 1040,690 1370,690 1370,1020
  pour cut-out: 431.38,1480.31 439.25,1480.31 439.25,1435 431.38,1435
  pour cut-out: 510.2,1485.31 416.69,1485.32 416.69,1515 509.96,1515

## Silkscreen, mask and mechanical layers (free items; w line width, h text height)
Top Overlay:
  lines w6: 860,280 1190,280 1190,540 1000,540 1000,615 860,615 860,545 860,280
  text "5V" at 300,1685 h60
  text "+4V" at 1387.27,1551 h60
  text "GND" at 25,1455 h60
  text "VIN" at 130,1455 h60
  text "1" at 2535,1385 h130
  text "-4V" at 1150,1285 h60
  text "2.5V" at 385,1275 h60
  text "D1.8V" at 540,1270 h60
  text "A1.8V" at 725,1270 h60
  text "DualMono x TerayTech 2025 RF Works" at 15,1250 h70 r270
  text "B" at 80,1135 h350 r270
  text "0" at 2530,956.2 h130
  text "D" at 70,855 h280 r270
  text "3" at 2535,521.08 h130
  text "VIN" at 208.09,504.04 h60
  text "IN" at 900,410 h70
  text "OUT" at 1055,360.52 h70
  text "EXT_SYNC" at 900,285 h70
  text "3.3V" at 250,245 h60
  text "EXT_CLK" at 375,215 h70
  text "25M" at 830,205 h60
  text "CLK±" at 1160,155 h60
  text "Opt" at 665,110 h60
  text "2" at 2540,90 h130
  text "EmoeDDS" at 650,-44.11 h120
  text "Signal Board Rev.1" at 645,-100 h60
Bottom Overlay:
  lines w5: 575,1045 655,1045
  lines w10: 40,370 480,370 ; 40,470 480,470 ; 40,570 480,570 ; 280,270 280,670 ; 480,770 995,770 ; 480,870 995,870 ; 480,970 995,970 ; 480,1070 995,1070 ; 480,1170 995,1170 ; 737.5,670 737.5,1270 ; 480,670 995,670 995,1270 480,1270 480,670 ; 480,670 40,670 40,270 480,270 480,670
  text "4.5V-5.5V IN" at 370,1445.78 h70
  text "500mA MAX" at 370,1390.78 h70
  text "P0" at 900,1195.78 h70
  text "P1" at 645,1195 h70
  text "P3" at 645,1095.78 h70
  text "P2" at 900,1095 h70
  text "I/O UPD" at 980,995.78 h70
  text "CS" at 655,990.78 h70
  text "SDIO_0" at 720,897.44 h70
  text "SCLK" at 945,895.78 h70
  text "SDIO_2" at 720,797.44 h70
  text "SDIO_1" at 970,797.44 h70
  text "SDIO_3" at 975,697.44 h70
  text "SYCLK" at 710,695.78 h70
  text "RST/PD" at 255,600.67 h60
  text "-CLK+" at 230,500.67 h60
  text "GND" at 215,400.67 h60
  text "IO Vdd" at 250,300.78 h70
Top Solder:
  rectangle: 2610,275 2760,345
  rectangle: 2610,75 2760,145
  rectangle: 2610,705 2760,775
  rectangle: 2610,505 2760,575
  rectangle: 2610,1135 2760,1205
  rectangle: 2610,935 2760,1005
  rectangle: 2610,1365 2760,1435
  rectangle: 2610,1565 2760,1635
  region: 1405,1595 1805,1595 1815,1605 1825,1615 2005,1615 2035,1585 2325,1585 2385,1645 1410,1645 1405,1650
  region: 2760,75 2585,75 2540,30 2230,30 2185,75 1945,75 1905,35 1820,35 1790,65 1620,65 1575,20 1470,20 1380,110 1260,110 1160,10 1160,-110 1165,-115 2765,-115 2765,70
  region: 1445,455 1415,425 1415,325 1445,295 1800,295 1820,315 1900,315 1930,285 2300,285 2370,355 2435,355 2515,275 2760,275 2760,575 2680,575 2565,460 2365,460 2325,500 1950,500 1915,465 1830,465 1815,480 1605,480 1580,455
  region: 1605,900 1580,875 1580,825 1565,810 1445,810 1430,795 1430,735 1440,725 1575,725 1610,690 1715,690 1770,745 1925,745 1960,710 2290,710 2365,785 2440,785 2520,705 2760,705 2760,1005 2685,1005 2575,895 2340,895 2290,945 1955,945 1910,900 1870,900
  region: 1870,1315 1915,1360 2330,1360 2375,1315
  region: 2760,1320 1875,1320 1835,1280 1760,1280 1735,1305 1375,1305 1315,1245 1315,1205 1360,1160 1800,1160 1820,1180 1900,1180 1920,1160 2300,1160 2355,1215 2450,1215 2530,1135 2760,1135
  region: 2765,1825 1405,1825 1405,1635 2375,1635 2385,1645 2425,1645 2435,1635 2510,1635 2580,1565 2770,1565
Bottom Solder:
  region: 1799.29,219.45 1734.29,219.45 1734.29,139.45 1799.29,139.45
  region: 1799.29,649.45 1734.29,649.45 1734.29,569.45 1799.29,569.45
  region: 1799.29,1079.76 1734.29,1079.76 1734.29,999.76 1799.29,999.76
  region: 1799.29,1509.45 1734.29,1509.45 1734.29,1429.45 1799.29,1429.45
  region: 861.81,1509.72 861.81,1574.72 781.81,1574.72 781.81,1509.72
  region: 650,1510 650,1575 570,1575 570,1510
  region: 1195,1565 1125,1565 1125,1455 1195,1455
  region: 1120,940 1290,940 1290,770 1120,770